# Allegro board AWR1243BOOST-Rev-A.brd (continued)
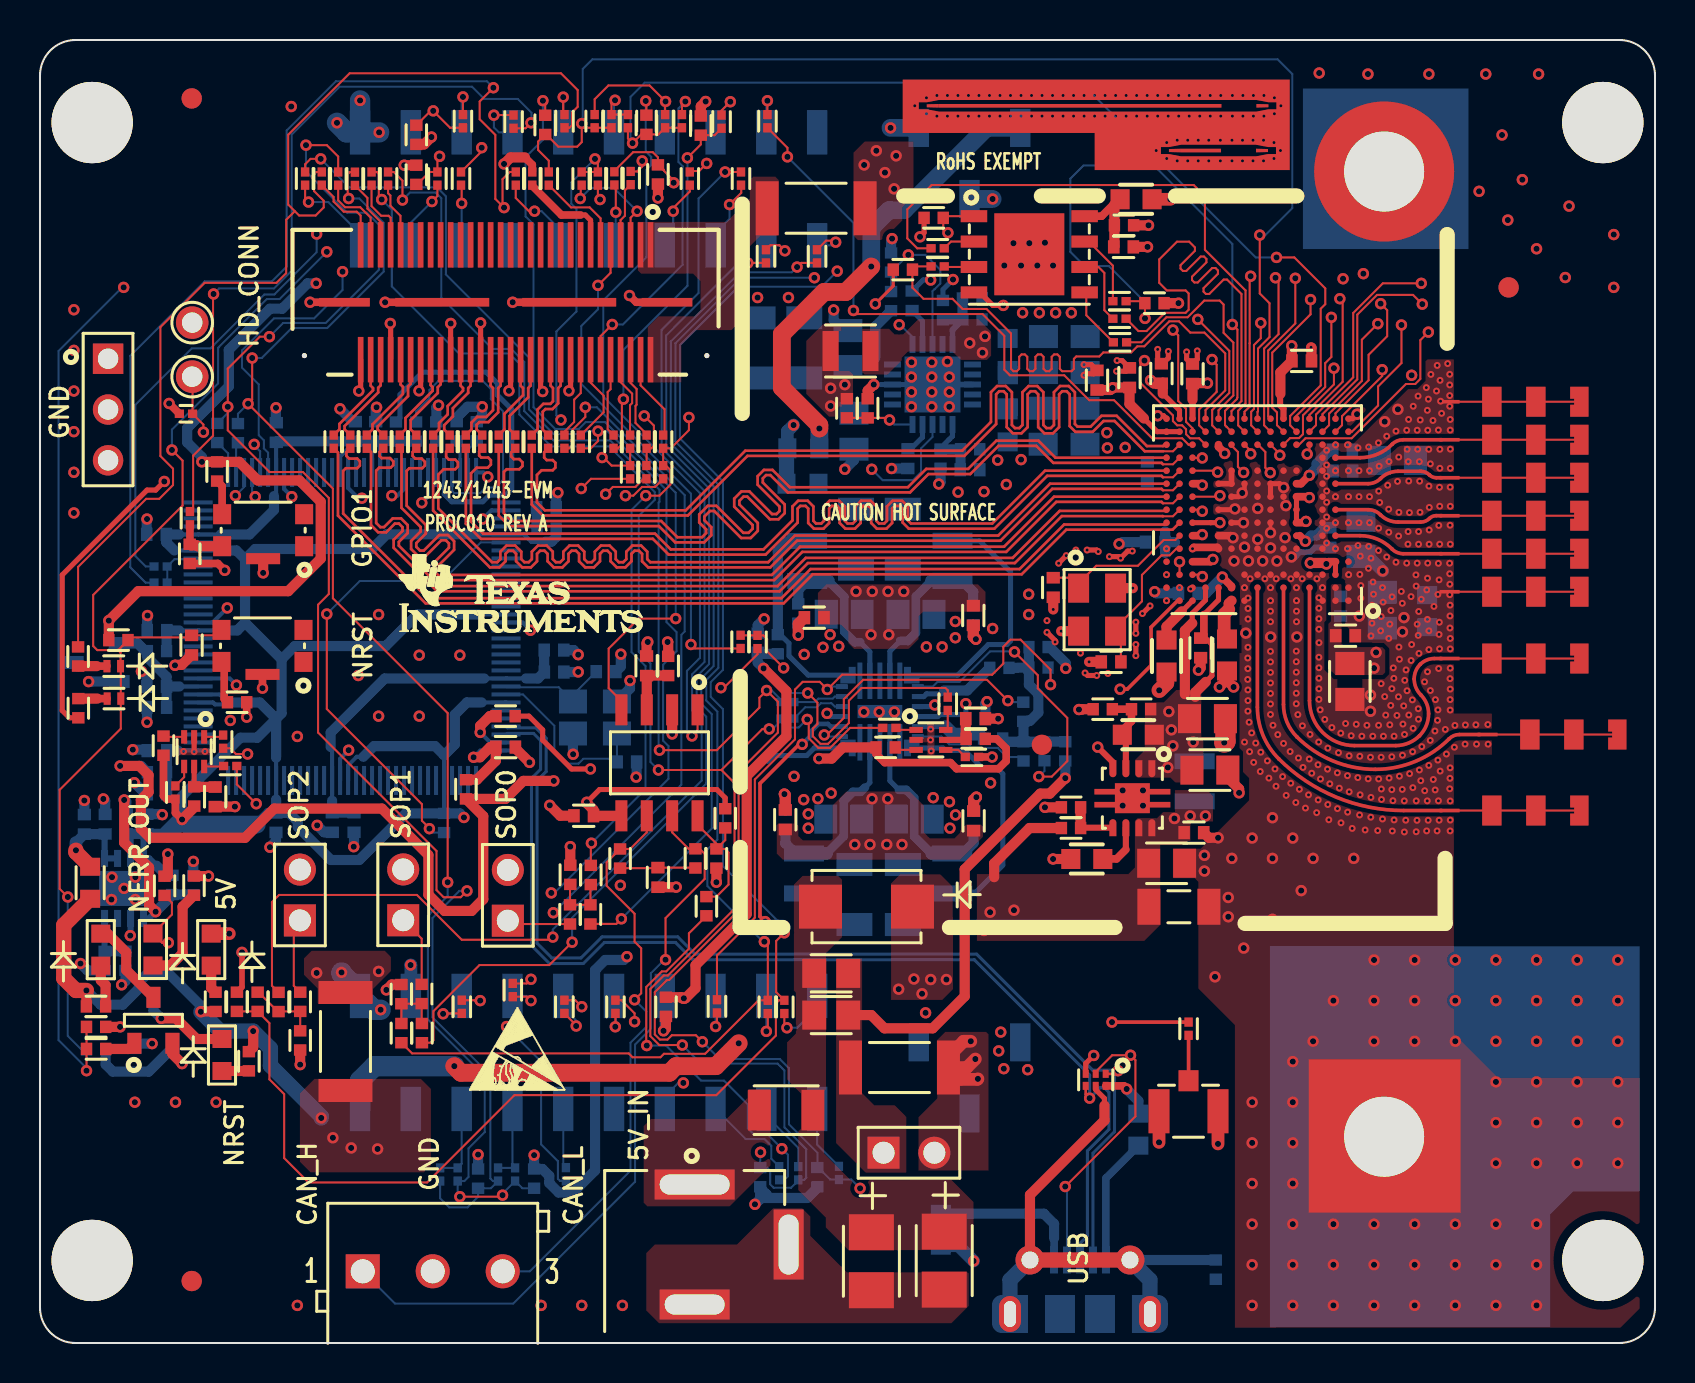
[diagram p0: board, top side]
## Library data of the parts
C1 C13 C14 C33 C36 = CAP_NON_POLARIZED: alternate symbols: (); part number: CAP_NON_POLARIZED_0603-GCM188R71C105KA64,1UF,10%
C2 C21 = CAP_NON_POLARIZED: alternate symbols: (); part number: CAP_NON_POLARIZED_0402-CGA2B3X7R1H104K050BB,0.1UF,10%
C3 C5 C7 C10 C12 C39 C47 C48 C51 C53 C56 C57 C68 = CAP_NON_POLARIZED: alternate symbols: (); part number: CAP_NON_POLARIZED_0402-GCM155R71C224KE02,0.22UF,10%
C4 C6 C11 = CAP_NON_POLARIZED: alternate symbols: (); part number: CAP_NON_POLARIZED_0402-GCM155R71C104KA55,0.1UF,10%
C8 = CAP_NON_POLARIZED: alternate symbols: (); part number: CAP_NON_POLARIZED_0201-C0603X7S1A104K030BC,0.1UF,10%
C9 C15 C24 = CAP_NON_POLARIZED: alternate symbols: (); part number: CAP_NON_POLARIZED_0402-GJM1555C1H4R7BB01,4.7PF,+/-0.1PF
C16 C20 C42 C43 C49 C64 C67 C71 C75 C76 C79 C84 C85 = CAP_NON_POLARIZED: alternate symbols: (); part number: CAP_NON_POLARIZED_0402-C0402C104K8RAC,0.1UF,10%
C17 C19 C23 C32 C34 C35 C37 C38 C40 C45 C52 C58-C60 C65 C72 C73 C83 = CAP_NON_POLARIZED: alternate symbols: (CAP_GC_21); part number: CAP_NON_POLARIZED_0805-GCM21BR71A106KE22,10UF,10%
C18 C22 = CAP_NON_POLARIZED: alternate symbols: (); part number: CAP_NON_POLARIZED_0603-GCM188R71C474KA55,0.47UF,10%
C25 C30 C31 = CAP_NON_POLARIZED: alternate symbols: (); part number: CAP_NON_POLARIZED_1206-CGA5L1X7R0J226M160AC,22UF,20%
C26 C27 = CAP_POLARIZED: alternate symbols: (); part number: CAP_POLARIZED_3528-21-T491B476K010AT,47UF,10%
C28 C29 C44 C46 = CAP_NON_POLARIZED: alternate symbols: (); part number: CAP_NON_POLARIZED_0402-CGA2B3X8R1H103K050BB,0.01UF,10%
C41 C61 C62 = CAP_NON_POLARIZED: alternate symbols: (); part number: CAP_NON_POLARIZED_0402-C1005X7S0J105M050BC,1UF,20%
C50 = CAP_NON_POLARIZED: alternate symbols: (); part number: CAP_NON_POLARIZED_0402-C1005X7R1E103K,10NF,10%
C54 C55 C81 C82 = CAP_NON_POLARIZED: alternate symbols: (CAP_GC_31); part number: CAP_NON_POLARIZED_1206-GCM31CR71A226KE02,22UF,10%
C63 C70 = CAP_NON_POLARIZED: alternate symbols: (); part number: CAP_NON_POLARIZED_0402-GRM1555C1H8R0DA01,8PF,+/-0.5PF
C66 C69 = CAP_NON_POLARIZED: alternate symbols: (); part number: CAP_NON_POLARIZED_0402-C0402C103K4RAC,0.01UF,10%
C74 C77 C80 = CAP_NON_POLARIZED: alternate symbols: (); part number: CAP_NON_POLARIZED_0402-C1005X7S1A225K050BC,2.2UF,10%
C78 = CAP_NON_POLARIZED: alternate symbols: (); part number: CAP_NON_POLARIZED_0402-04025A150FAT2A,15PF,1%
C86-C89 = CAP_NON_POLARIZED: alternate symbols: (); part number: CAP_NON_POLARIZED_0402-CGA2B2NP01H391J050BA,390PF,5%
D1 D2 = DIODE_SCHOTTKY: alternate symbols: (); part number: DIODE_SCHOTTKY_2-PIN-SMS3923-040LF
D3 = DIODE_ZENER: alternate symbols: (); part number: DIODE_ZENER_DO-214AA-P6SMB6.8AT3G
DS1 DS2 = LEDS: alternate symbols: (); part number: LEDS_0603-TLMS1000
DS3 DS4 = LEDS: alternate symbols: (); part number: LEDS_0603-TLMY1000
F1 = FUSE: alternate symbols: (); part number: FUSE_1206-0440005.
FB1 FB2 = FERRITE_BEAD: alternate symbols: (); part number: FERRITE_BEAD_0805-BLM21PG300SH1,30 OHM,0%
J1 = QSH_030_01_X_D: alternate symbols: (); part number: QSH_030_01_X_D_CONN-60P-FULL-QSH-030-01-L-D-A
J2 = 128_0711_201: alternate symbols: (); part number: 128_0711_201_SMA-3P-128-0711-201
J3 = OSTTE030161: alternate symbols: (); part number: OSTTE030161_CONN-3P-OSTTE030161
J4 J7 = SSM_103_XX_SV: alternate symbols: (); part number: SSM_103_XX_SV_CONN-3P-SSM-103-S-SV
J5 J6 = SSM_110_XX_DV: alternate symbols: (); part number: SSM_110_XX_DV_CONN-20P-SSM-110-S-DV
J8 = 105017_0001: alternate symbols: (); part number: 105017_0001_CONN-5P-105017-0001
L1-L6 = INDUCTOR: alternate symbols: (); part number: INDUCTOR_1008-DFE252012P-R47M,0.47UH,20%
P1 = 22_28_4033: alternate symbols: (); part number: 22_28_4033_HDR-3P-22-28-4033
P2-P5 = 2211S_02G: alternate symbols: (); part number: 2211S_02G_HDR-2P-2211S-02G
P6 = PJ_002AH: alternate symbols: (); part number: PJ_002AH_POWER_JACK-PJ-002AH
Q1 Q2 = BSS123: alternate symbols: (); part number: BSS123_SOT-23-3-BSS123
R1-R10 R17-R33 R35 R36 R48-R67 R69-R72 R75 R76 R94 R102 R104-R106 R108 R109 R111 R135 R136 R144 R146 R162-R169 R180-R182 R185 R186 R188 = RESISTOR: alternate symbols: (); part number: RESISTOR_0201-CRCW02010000Z0ED,0,JUMPER
R11 R12 R37 R78 R97 R107 R119 R120 R128 R129 R141 R152 R159 R177 R183 R187 = RESISTOR: alternate symbols: (); part number: RESISTOR_0402-ERJ-2GE0R00,0,JUMPER
R13 R15 R16 R41 R43 R46 R47 R73 R74 R81 R83 R84 R86 R89 R91 R98 R113 R145 R148 R155 R170 R171 R178 R179 R184 = RESISTOR: alternate symbols: (); part number: RESISTOR_0402-CRCW040210K0FK,10K,1%
R14 R110 R138 R158 R172 R173 = RESISTOR: alternate symbols: (); part number: RESISTOR_0402-CRCW0402100KFK,100K,1%
R34 R115 R118 = RESISTOR: alternate symbols: (); part number: RESISTOR_2010-CRCW20100000Z0,0.00,1%
R38 = RESISTOR: alternate symbols: (); part number: RESISTOR_0402-CRCW040247K5FK,47.5K,1%
R39 R40 R42 R44 R45 = RESISTOR: alternate symbols: (); part number: RESISTOR_0201-CRCW020133R2FN,33.2,1%
R68 R77 R79 R80 R154 = RESISTOR: alternate symbols: (); part number: RESISTOR_0402-ERJ-2GEJ101,100,5%
R82 = RESISTOR: alternate symbols: (); part number: RESISTOR_0402-CRCW040212K7FK,12.7K,1%
R85 R87 = RESISTOR: alternate symbols: (); part number: RESISTOR_0402-CRCW040261R9FK,61.9,1%
R88 R96 R114 = RESISTOR: alternate symbols: (); part number: RESISTOR_0402-CRCW040282K5FK,82.5K,1%
R90 = RESISTOR: alternate symbols: (); part number: RESISTOR_0402-ERJ-2GEJ361,360,5%
R92 R95 R99 = RESISTOR: alternate symbols: (); part number: RESISTOR_0402-CRCW04027K87FK,7.87K,1%
R93 R101 R112 = RESISTOR: alternate symbols: (); part number: RESISTOR_0402-CRCW0402750RFK,750,1%
R100 R103 R116 R117 R160 = RESISTOR: alternate symbols: (); part number: RESISTOR_0402-ERJ-2GEJ511,510,5%
R121 R132 = RESISTOR: alternate symbols: (); part number: RESISTOR_0402-CRCW04022K80FK,2.8K,1%
R122 R131 R139 = RESISTOR: alternate symbols: (); part number: RESISTOR_0402-CRCW04021K96FK,1.96K,1%
R123 R124 R126 R127 R140 = RESISTOR: alternate symbols: (); part number: RESISTOR_0402-CRCW04021K00FK,1K,1%
R125 = RESISTOR: alternate symbols: (); part number: RESISTOR_0402-CRCW04024K87FK,4.87K,1%
R130 R133 R137 R161 R175 R176 R189 = RESISTOR: alternate symbols: (); part number: RESISTOR_0603-MCT06030Z0000ZP500,0,JUMPER
R134 = RESISTOR: alternate symbols: (); part number: RESISTOR_0402-CRCW040249R9FK,49.9,1%
R142 R150 = RESISTOR: alternate symbols: (); part number: RESISTOR_0402-ERJ-2RKF4991X,4.99K,1%
R143 R147 = RESISTOR: alternate symbols: (); part number: RESISTOR_0402-CRCW04024K99FK,4.99K,1%
R149 = RESISTOR: alternate symbols: (); part number: RESISTOR_0402-ERJ-2GEJ102,1K,5%
R151 R153 = RESISTOR: alternate symbols: (); part number: RESISTOR_0402-CRCW0402330KFK,330K,1%
R156 = RESISTOR: alternate symbols: (); part number: RESISTOR_0402-CRCW040249K9FK,49.9K,1%
R157 R174 = RESISTOR: alternate symbols: (); part number: RESISTOR_0402-CRCW040230K0FK,30K,1%
R190-R193 = RESISTOR: alternate symbols: (); part number: RESISTOR_0402-CRCW04023R83FK,3.83,1%
SW1 SW2 = KMR2XXG: alternate symbols: (); part number: KMR2XXG_SW-4P-KMR243GLFG
TP1 TP2 = TP: alternate symbols: (); part number: TP_TP-040PTH
U1 = S25FL116K0XNFV010: alternate symbols: (); part number: S25FL116K0XNFV010_SON-8-S25FL116K0XNFV010
U2 = AR1243_PRELIMINARY: alternate symbols: (); part number: AR1243_PRELIMINARY_BGA-161-FULL-AR1243_PRELIMINARY
U3 = SN65HVDA540QD: alternate symbols: (); part number: SN65HVDA540QD_SOIC-8-SN65HVDA540QD
U4 = TPS7A8101: alternate symbols: (); part number: TPS7A8101_SON-8-TPS7A8101QDRBRQ1
U5 = TPS7A8801: alternate symbols: (); part number: TPS7A8801_QFN-20-TPS7A8801RTJ
U6 = TM4C1294NCPDTT3: alternate symbols: (); part number: TM4C1294NCPDTT3_QFP-128-QUAD-TM4C1294NCPDTT3
U7 = LM4040C25Q: alternate symbols: (); part number: LM4040C25Q_SOT-23-3-LM4040C25QDBZ
U8 = P87524BRNFRQ1_ES2_2_PRELIMINARY: alternate symbols: (); part number: P87524BRNFRQ1_ES2_2_PRELIMINARY_VQFN-26-P87524BRNFRQ1_ES2.2_PRELIMINARY
U9 = TPS79601DRB: alternate symbols: (); part number: TPS79601DRB_SON-8-TPS79601DRB
U10 = TPD4E004DRY: alternate symbols: (); part number: TPD4E004DRY_SON-6P-TPD4E004DRY
U11 U12 = TMP112AIDRL: alternate symbols: (); part number: TMP112AIDRL_SOTFL-6-TMP112AIDRL
Y1 = CX3225SA: alternate symbols: (); part number: CX3225SA_XTAL-4P-CX3225SA40000D0PTWCC,40MHZ
Y2 = NX3225SA: alternate symbols: (); part number: NX3225SA_XTAL-4P-NX3225SA-16.000M-STD-CRS-2,16MHZ

## Footprints (pads in the part's own frame, mm; a bottom-side part is the same pattern mirrored in y, then rotated)
BGA161C65P15X15_1040X1040X120
  round 0.33 smd: A1(-4.55,4.55) A2(-3.9,4.55) A3(-3.25,4.55) A5(-1.95,4.55) A7(-0.65,4.55) A9(0.65,4.55) A10(1.3,4.55) A13(3.25,4.55) A14(3.9,4.55) A15(4.55,4.55) B1(-4.55,3.9) B2(-3.9,3.9) B3(-3.25,3.9) B4(-2.6,3.9) B5(-1.95,3.9) B6(-1.3,3.9) B7(-0.65,3.9) B8(0,3.9) B9(0.65,3.9) B10(1.3,3.9) B11(1.95,3.9) B12(2.6,3.9) B13(3.25,3.9) B14(3.9,3.9) B15(4.55,3.9) C1(-4.55,3.25) C2(-3.9,3.25) C3(-3.25,3.25) C4(-2.6,3.25) C5(-1.95,3.25) C6(-1.3,3.25) C7(-0.65,3.25) C8(0,3.25) C9(0.65,3.25) C13(3.25,3.25) C14(3.9,3.25) C15(4.55,3.25) D1(-4.55,2.6) D2(-3.9,2.6) D13(3.25,2.6) D15(4.55,2.6) E1(-4.55,1.95) E2(-3.9,1.95) E3(-3.25,1.95) E5(-1.95,1.95) E6(-1.3,1.95) E8(0,1.95) E10(1.3,1.95) E11(1.95,1.95) E13(3.25,1.95) E14(3.9,1.95) E15(4.55,1.95) F2(-3.9,1.3) F3(-3.25,1.3) F5(-1.95,1.3) F9(0.65,1.3) F11(1.95,1.3) F13(3.25,1.3) F14(3.9,1.3) G1(-4.55,0.65) G2(-3.9,0.65) G3(-3.25,0.65) G5(-1.95,0.65) G6(-1.3,0.65) G7(-0.65,0.65) G8(0,0.65) G10(1.3,0.65) G13(3.25,0.65) G14(3.9,0.65) G15(4.55,0.65) H2(-3.9,0) H3(-3.25,0) H5(-1.95,0) H7(-0.65,0) H9(0.65,0) H11(1.95,0) H13(3.25,0) H14(3.9,0) H15(4.55,0) J1(-4.55,-0.65) J2(-3.9,-0.65) J3(-3.25,-0.65) J5(-1.95,-0.65) J6(-1.3,-0.65) J7(-0.65,-0.65) J8(0,-0.65) J10(1.3,-0.65) J13(3.25,-0.65) J14(3.9,-0.65) J15(4.55,-0.65) K2(-3.9,-1.3) K3(-3.25,-1.3) K5(-1.95,-1.3) K7(-0.65,-1.3) K8(0,-1.3) K9(0.65,-1.3) K10(1.3,-1.3) K11(1.95,-1.3) K13(3.25,-1.3) K14(3.9,-1.3) K15(4.55,-1.3) L1(-4.55,-1.95) L2(-3.9,-1.95) L3(-3.25,-1.95) L5(-1.95,-1.95) L6(-1.3,-1.95) L8(0,-1.95) L10(1.3,-1.95) L13(3.25,-1.95) L14(3.9,-1.95) L15(4.55,-1.95) M2(-3.9,-2.6) M3(-3.25,-2.6) M13(3.25,-2.6) M14(3.9,-2.6) M15(4.55,-2.6) N1(-4.55,-3.25) N2(-3.9,-3.25) N3(-3.25,-3.25) N4(-2.6,-3.25) N5(-1.95,-3.25) N6(-1.3,-3.25) N7(-0.65,-3.25) N8(0,-3.25) N9(0.65,-3.25) N10(1.3,-3.25) N11(1.95,-3.25) N12(2.6,-3.25) N13(3.25,-3.25) N14(3.9,-3.25) N15(4.55,-3.25) P1(-4.55,-3.9) P2(-3.9,-3.9) P3(-3.25,-3.9) P4(-2.6,-3.9) P5(-1.95,-3.9) P6(-1.3,-3.9) P7(-0.65,-3.9) P8(0,-3.9) P9(0.65,-3.9) P10(1.3,-3.9) P11(1.95,-3.9) P12(2.6,-3.9) P13(3.25,-3.9) P14(3.9,-3.9) P15(4.55,-3.9) R1(-4.55,-4.55) R2(-3.9,-4.55) R3(-3.25,-4.55) R4(-2.6,-4.55) R5(-1.95,-4.55) R6(-1.3,-4.55) R7(-0.65,-4.55) R8(0,-4.55) R9(0.65,-4.55) R10(1.3,-4.55) R11(1.95,-4.55) R12(2.6,-4.55) R13(3.25,-4.55) R14(3.9,-4.55) R15(4.55,-4.55)
CAPMP3528X210N
  rect 1.8x2.25 smd: 1(-1.45,0) 2(1.45,0)
CC0201
  rect 0.46x0.419 smd: 1(-0.33,0) 2(0.33,0)
CC0402
  rect 0.579x0.66 smd: 1(-0.49,0) 2(0.49,0)
CC0603
  rect 0.95x1.001 smd: 1(-0.8,0) 2(0.8,0)
CC0805
  rect 1.151x1.45 smd: 1(-0.899,0) 2(0.899,0)
CC1206
  rect 1.151x1.801 smd: 1(-1.501,0) 2(1.501,0)
CINCH_128-0711-201
  rect 2.2x1.05 smd: G1(0,1.475) G2(0,-1.475)
  rect 1.05x1 smd: S(1.525,0)
CUI_PJ-002AH
  rect 4x1.5 hole 3.5x1: 1(0,0)
  rect 3.5x1.5 hole 3x1: 2(0,-6)
  rect 1.5x3.5 hole 1x3: 3(4.7,-3)
DFN100X60X50-2N
  rect 0.35x0.62 smd: A(0.34,0) C(-0.34,0)
DIOM5436X295N
  rect 2.15x2.2 smd: A(2.3,0) C(-2.3,0)
FB0805
  rect 1.199x1.45 smd: 1(-0.85,0) 2(0.85,0)
FUSE1206
  rect 1.14x2.029 smd: 1(-1.335,0) 2(1.335,0)
INDC2520X120N
  rect 0.8x2 smd: 1(-1,0) 2(1,0)
LED0603
  rect 0.899x0.95 smd: A(0.8,0) C(-0.8,0)
MOLEX_22-28-4033
  rect 1.519x1.519 hole 1.021: 1(0,0)
  round 1.519 hole 1.021: 2(0,-2.54) 3(0,-5.08)
MOLEX_105017-0001
  rect 1.5x1.9 smd: (-1,-0.15) (1,-0.15)
  rect 0.4x1.35 smd: 1(-1.3,2.55) 2(-0.65,2.55) 3(0,2.55) 4(0.65,2.55) 5(1.3,2.55)
  round 1.45 hole 0.85: G1(-2.5,2.55) G2(2.5,2.55)
  oval 1.1x1.8 hole 0.6x1.3: G3(-3.5,-0.15) G4(3.5,-0.15)
MULTICOMP_2211S-02G
  rect 1.6x1.6 hole 1.1: 1(0,0)
  round 1.6 hole 1.1: 2(2.54,0)
OST_OSTTE030161
  rect 1.702x1.702 hole 1.202: 1(0,0)
  round 1.702 hole 1.202: 2(3.5,0) 3(7,0)
P87524BRNFRQ1_ES2_2_PRELIMINARY
  custom 0.78x0.83 smd: 1(-1.595,1.82) 8(-1.595,-1.82) 14(1.595,-1.82) 21(1.595,1.82)
  rect 0.6x0.25 smd: 2(-1.9,1.25) 3(-1.9,0.75) 4(-1.9,0.25) 5(-1.9,-0.25) 6(-1.9,-0.75) 7(-1.9,-1.25) 15(1.9,-1.25) 16(1.9,-0.75) 17(1.9,-0.25) 18(1.9,0.25) 19(1.9,0.75) 20(1.9,1.25)
  rect 0.25x1.82 smd: 9(-1,-1.54) 10(-0.5,-1.54) 11(0,-1.54) 12(0.5,-1.54) 13(1,-1.54) 22(1,1.54) 23(0.5,1.54) 24(0,1.54) 25(-0.5,1.54) 26(-1,1.54)
  rect 2.24x0.66 smd: EP(0,0)
PSON50P100X145X60-6N
  rect 0.399x0.3 smd: 1(-0.3,0.5) 2(-0.3,0) 3(-0.3,-0.5) 4(0.3,-0.5) 5(0.3,0) 6(0.3,0.5)
QFN50P400X400X80_EPE-21N
  rect 0.851x0.3 smd: 1(-2,1) 2(-2,0.5) 3(-2,0) 4(-2,-0.5) 5(-2,-1) 11(2,-1) 12(2,-0.5) 13(2,0) 14(2,0.5) 15(2,1)
  rect 0.3x0.851 smd: 6(-1,-2) 7(-0.5,-2) 8(0,-2) 9(0.5,-2) 10(1,-2) 16(1,2) 17(0.5,2) 18(0,2) 19(-0.5,2) 20(-1,2)
  rect 2.8x2.8 smd: EP(0,0)
QFP40P1600X1600X120-128N
  rect 1.45x0.201 smd: 1(-7.7,6.2) 2(-7.7,5.8) 3(-7.7,5.4) 4(-7.7,5) 5(-7.7,4.6) 6(-7.7,4.2) 7(-7.7,3.8) 8(-7.7,3.4) 9(-7.7,3) 10(-7.7,2.6) 11(-7.7,2.2) 12(-7.7,1.8) 13(-7.7,1.4) 14(-7.7,1) 15(-7.7,0.6) 16(-7.7,0.2) 17(-7.7,-0.2) 18(-7.7,-0.6) 19(-7.7,-1) 20(-7.7,-1.4) 21(-7.7,-1.8) 22(-7.7,-2.2) 23(-7.7,-2.6) 24(-7.7,-3) 25(-7.7,-3.4) 26(-7.7,-3.8) 27(-7.7,-4.2) 28(-7.7,-4.6) 29(-7.7,-5) 30(-7.7,-5.4) 31(-7.7,-5.8) 32(-7.7,-6.2) 65(7.7,-6.2) 66(7.7,-5.8) 67(7.7,-5.4) 68(7.7,-5) 69(7.7,-4.6) 70(7.7,-4.2) 71(7.7,-3.8) 72(7.7,-3.4) 73(7.7,-3) 74(7.7,-2.6) 75(7.7,-2.2) 76(7.7,-1.8) 77(7.7,-1.4) 78(7.7,-1) 79(7.7,-0.6) 80(7.7,-0.2) 81(7.7,0.2) 82(7.7,0.6) 83(7.7,1) 84(7.7,1.4) 85(7.7,1.8) 86(7.7,2.2) 87(7.7,2.6) 88(7.7,3) 89(7.7,3.4) 90(7.7,3.8) 91(7.7,4.2) 92(7.7,4.6) 93(7.7,5) 94(7.7,5.4) 95(7.7,5.8) 96(7.7,6.2)
  rect 0.201x1.45 smd: 33(-6.2,-7.7) 34(-5.8,-7.7) 35(-5.4,-7.7) 36(-5,-7.7) 37(-4.6,-7.7) 38(-4.2,-7.7) 39(-3.8,-7.7) 40(-3.4,-7.7) 41(-3,-7.7) 42(-2.6,-7.7) 43(-2.2,-7.7) 44(-1.8,-7.7) 45(-1.4,-7.7) 46(-1,-7.7) 47(-0.6,-7.7) 48(-0.2,-7.7) 49(0.2,-7.7) 50(0.6,-7.7) 51(1,-7.7) 52(1.4,-7.7) 53(1.8,-7.7) 54(2.2,-7.7) 55(2.6,-7.7) 56(3,-7.7) 57(3.4,-7.7) 58(3.8,-7.7) 59(4.2,-7.7) 60(4.6,-7.7) 61(5,-7.7) 62(5.4,-7.7) 63(5.8,-7.7) 64(6.2,-7.7) 97(6.2,7.7) 98(5.8,7.7) 99(5.4,7.7) 100(5,7.7) 101(4.6,7.7) 102(4.2,7.7) 103(3.8,7.7) 104(3.4,7.7) 105(3,7.7) 106(2.6,7.7) 107(2.2,7.7) 108(1.8,7.7) 109(1.4,7.7) 110(1,7.7) 111(0.6,7.7) 112(0.2,7.7) 113(-0.2,7.7) 114(-0.6,7.7) 115(-1,7.7) 116(-1.4,7.7) 117(-1.8,7.7) 118(-2.2,7.7) 119(-2.6,7.7) 120(-3,7.7) 121(-3.4,7.7) 122(-3.8,7.7) 123(-4.2,7.7) 124(-4.6,7.7) 125(-5,7.7) 126(-5.4,7.7) 127(-5.8,7.7) 128(-6.2,7.7)
RC0201
  rect 0.46x0.419 smd: 1(-0.33,0) 2(0.33,0)
RC0402
  rect 0.569x0.62 smd: 1(-0.48,0) 2(0.48,0)
RC0402_40
  rect 0.569x0.62 smd: 1(-0.48,0) 2(0.48,0)
RC0603
  rect 0.899x1.001 smd: 1(-0.8,0) 2(0.8,0)
RC2010
  rect 1.151x2.7 smd: 1(-2.45,0) 2(2.45,0)
SAMTEC_QSH-030-01-X-D-A
  round 0.249 hole 1.021 unplated: (-10.065,2.67) (10.065,2.67)
  rect 0.28x2.27 smd: 1(-7.25,-2.87) 2(-7.25,2.87) 3(-6.75,-2.87) 4(-6.75,2.87) 5(-6.25,-2.87) 6(-6.25,2.87) 7(-5.75,-2.87) 8(-5.75,2.87) 9(-5.25,-2.87) 10(-5.25,2.87) 11(-4.75,-2.87) 12(-4.75,2.87) 13(-4.25,-2.87) 14(-4.25,2.87) 15(-3.75,-2.87) 16(-3.75,2.87) 17(-3.25,-2.87) 18(-3.25,2.87) 19(-2.75,-2.87) 20(-2.75,2.87) 21(-2.25,-2.87) 22(-2.25,2.87) 23(-1.75,-2.87) 24(-1.75,2.87) 25(-1.25,-2.87) 26(-1.25,2.87) 27(-0.75,-2.87) 28(-0.75,2.87) 29(-0.25,-2.87) 30(-0.25,2.87) 31(0.25,-2.87) 32(0.25,2.87) 33(0.75,-2.87) 34(0.75,2.87) 35(1.25,-2.87) 36(1.25,2.87) 37(1.75,-2.87) 38(1.75,2.87) 39(2.25,-2.87) 40(2.25,2.87) 41(2.75,-2.87) 42(2.75,2.87) 43(3.25,-2.87) 44(3.25,2.87) 45(3.75,-2.87) 46(3.75,2.87) 47(4.25,-2.87) 48(4.25,2.87) 49(4.75,-2.87) 50(4.75,2.87) 51(5.25,-2.87) 52(5.25,2.87) 53(5.75,-2.87) 54(5.75,2.87) 55(6.25,-2.87) 56(6.25,2.87) 57(6.75,-2.87) 58(6.75,2.87) 59(7.25,-2.87) 60(7.25,2.87)
  rect 2.54x0.43 smd: G1(-8.07,0) G4(8.06,0)
  rect 4.7x0.43 smd: G2(-3.18,0) G3(3.17,0)
SAMTEC_SSM-103-XX-SV
  rect 1.02x1.905 smd: 1(-2.54,-1.777) 2(0,1.777) 3(2.54,-1.777)
SAMTEC_SSM-110-XX-DV
  rect 1.02x2.22 smd: 1(11.43,-2.825) 2(11.43,2.825) 3(8.89,-2.825) 4(8.89,2.825) 5(6.35,-2.825) 6(6.35,2.825) 7(3.81,-2.825) 8(3.81,2.825) 9(1.27,-2.825) 10(1.27,2.825) 11(-1.27,-2.825) 12(-1.27,2.825) 13(-3.81,-2.825) 14(-3.81,2.825) 15(-6.35,-2.825) 16(-6.35,2.825) 17(-8.89,-2.825) 18(-8.89,2.825) 19(-11.43,-2.825) 20(-11.43,2.825)
SOIC127P600X175-8N
  rect 1.549x0.599 smd: 1(-2.65,1.905) 2(-2.65,0.635) 3(-2.65,-0.635) 4(-2.65,-1.905) 5(2.65,-1.905) 6(2.65,-0.635) 7(2.65,0.635) 8(2.65,1.905)
SON65P300X300X100-9
  custom 0.849x0.351 smd: 1(-1.475,0.975) 2(-1.475,0.325) 3(-1.475,-0.325) 4(-1.475,-0.975) 5(1.475,-0.975) 6(1.475,-0.325) 7(1.475,0.325) 8(1.475,0.975)
  custom 1.499x3.8 smd: EP(0,0)
SON65P300X300X100_EPA-9N
  rect 0.851x0.351 smd: 1(-1.5,0.975) 2(-1.5,0.325) 3(-1.5,-0.325) 4(-1.5,-0.975) 5(1.5,-0.975) 6(1.5,-0.325) 7(1.5,0.325) 8(1.5,0.975)
  rect 1.75x2.499 smd: EP(0,0)
SON127P600X500X80_EPA-9N
  rect 1.049x0.45 smd: 1(-2.85,1.905) 2(-2.85,0.635) 3(-2.85,-0.635) 4(-2.85,-1.905) 5(2.85,-1.905) 6(2.85,-0.635) 7(2.85,0.635) 8(2.85,1.905)
  rect 3.5x4.1 smd: EP(0,0)
SOT95P237X112-3N
  rect 1.049x0.65 smd: 1(-1.15,0.95) 2(-1.15,-0.95) 3(1.15,0)
SOT95P240X120-3N
  rect 1.05x0.7 smd: 1(-1.15,0.95) 2(-1.15,-0.95) 3(1.15,0)
SOTFL50P160X60-6N
  rect 0.671x0.3 smd: 1(-0.74,0.5) 2(-0.74,0) 3(-0.74,-0.5) 4(0.74,-0.5) 5(0.74,0) 6(0.74,0.5)
SW_KMR2XXG
  rect 0.899x1.001 smd: 1(-2.05,0.8) 2(2.05,0.8) 3(-2.05,-0.8) 4(2.05,-0.8)
  rect 1.7x0.55 smd: G(0,1.425)
TP_C163H102
  round 1.626 hole 1.02: 1(0,0)
unnamed#2
  round 7 hole 4: 1(0,0)
unnamed#4
  round 1.016 smd: 1(0,0)
unnamed#3
  round 4.064 hole 4.064 unplated: (0,0)
XTAL_CX3225SA
  rect 1.45x1.049 smd: 1(-1.075,-0.925) 2(1.075,-0.925) 3(1.075,0.925) 4(-1.075,0.925)
XTAL_NX3225SA
  rect 1.4x1.199 smd: 1(-1.1,-0.8) 2(1.1,-0.8) 3(1.1,0.8) 4(-1.1,0.8)

## Nets
3V3_BRD: C41.2 C42.2 C43.2 C50.2 C61.2 C76.2 C77.2 C78.2 R124.2 R127.2 R134.2 R140.2 R155.2 R156.2 R179.2 R183.2 R184.2 R187.2 R188.2 U6.7(VDD1) U6.8(VDDA) U6.16(VDD2) U6.26(VDD3) U6.28(VDD4) U6.39(VDD5) U6.47(VDD6) U6.51(VDD7) U6.52(VDD8) U6.69(VDD9) U6.79(VDD10) U6.90(VDD11) U6.101(VDD12) U6.113(VDD13) U6.122(VDD14) U9.3(OUT1) U9.4(OUT2)
3V3_MON_XDS_1: R158.2 R159.2 U9.8(EN)
5V_IN: FB1.2 FB2.2 P5.1 R34.2 R78.2 R100.2 R103.2 R115.2 R117.2 R118.1 R149.2 R176.2
5V_UNREG: C59.2 C60.2 C68.2 C72.2 C73.2 P5.2 R118.2 U8.9(VIN_B0) U8.13(VIN_B1) U8.18(VANA) U8.22(VIN_B3) U8.26(VIN_B2)
+3.3VD: C5.2 C20.2 P2.2 P3.2 P4.2 R14.2 R15.2 R16.2 R37.2 R38.2 R41.2 R43.2 R68.2 R74.2 R90.2 R91.2 R130.2 R133.2 R170.2 R171.2 R172.2 R173.2 R178.1 U2.R13(VIOIN) U3.5(VIO)
GND: C1.1 C2.1 C3.1 C4.1 C5.1 C6.1 C7.1 C8.1 C9.1 C10.1 C11.1 C12.1 C13.1 C14.1 C15.1 C16.1 C17.1 C19.1 C20.1 C21.1 C22.1 C23.1 C24.1 C25.1 C26.2 C27.2 C29.1 C30.1 C31.1 C32.1 C33.1 C34.1 C35.1 C36.1 C37.1 C38.1 C39.1 C40.1 C41.1 C42.1 C43.1 C44.1 C45.1 C47.1 C48.1 C49.1 C50.1 C51.1 C52.1 C53.1 C54.1 C55.1 C56.1 C57.1 C58.1 C59.1 C60.1 C61.1 C62.1 C63.1 C64.1 C65.1 C66.1 C67.1 C68.1 C69.1 C70.1 C71.1 C72.1 C73.1 C74.1 C75.1 C76.1 C77.1 C79.1 C80.1 C81.1 C82.1 C83.1 C84.1 C85.1 C86.1 C87.1 C88.1 C89.1 D3.A DS2.C J1.18 J1.24 J1.30 J1.36 J1.42 J1.48 J1.54 J1.60 J1.G1 J1.G2 J1.G3 J1.G4 J2.G1 J2.G2 J3.2 J4.1 J4.2 J5.2 J6.4 J7.1 J7.2 P1.2 P6.2 P6.3 Q1.2(S) Q2.2(S) R13.1 R47.2 R73.1 R79.1 R81.1 R83.2 R86.2 R88.1 R96.1 R110.1 R114.1 R119.1 R121.1 R123.2 R125.1 R126.2 R132.1 R138.1 R139.1 R153.1 R157.1 R158.1 R174.1 R175.1 R181.1 SW1.G(GND) SW2.G(GND) TP1.1 U1.4(VSS) U1.EP U2.A1(VSSA1) U2.A3(VSSA2) U2.A5(VSSA3) U2.A7(VSSA4) U2.A9(VSSA5) U2.A15(VSSA6) U2.B1(FM_CW_SYNCIN1) U2.B3(VSSA7) U2.B5(VSSA8) U2.B7(VSSA9) U2.B9(VSSA10) U2.B13(VSSA43) U2.B14(VSSA11) U2.C1(VSSA12) U2.C3(VSSA13) U2.C4(VSSA14) U2.C5(VSSA15) U2.C6(VSSA16) U2.C7(VSSA17) U2.C8(VSSA18) U2.C9(VSSA19) U2.C15(VSSA20) U2.E1(VSSA21) U2.E2(VSSA22) U2.E3(VSSA23) U2.E5(VSS19) U2.E6(VSS1) U2.E8(VSS2) U2.E10(VSS3) U2.E11(VSS4) U2.E13(VSSA24) U2.E15(VSSA25) U2.F3(VSSA26) U2.F9(VSS6) U2.F11(VSS7) U2.G1(VSSA27) U2.G2(VSSA28) U2.G3(VSSA29) U2.G6(VSS8) U2.G7(VSS5) U2.G8(VSS9) U2.G10(VSS10) U2.H3(VSSA30) U2.H7(VSS11) U2.H9(VSS12) U2.H11(VSS14) U2.J1(VSSA31) U2.J2(VSSA32) U2.J3(VSSA33) U2.J6(VSS16) U2.J7(VSS13) U2.J8(VSS17) U2.J10(VSS18) U2.K3(VSSA34) U2.K7(VSS20) U2.K8(VSS21) U2.K9(VSS22) U2.K10(VSS23) U2.K11(VSS24) U2.L1(VSSA35) U2.L2(VSSA36) U2.L3(VSSA37) U2.L5(VSS25) U2.L6(VSS26) U2.L8(VSS27) U2.L10(VSS28) U2.M3(VSSA38) U2.N1(VSSA39) U2.N2(VSSA40) U2.N3(VSSA41) U2.R1(VSSA42) U2.R15(VSS29) U3.2(GND) U4.4(GND) U4.EP(EPAD) U5.3(GND1) U5.13(GND2) U5.EP(GND3) U6.10(GNDA) U6.17(GND1) U6.48(GND2) U6.55(GND3) U6.58(GND4) U6.64(WAKE*) U6.66(XOSC0) U6.80(GND5) U6.114(GND6) U7.2(A) U8.4(AGND1) U8.11(PGND_B01) U8.17(AGND2) U8.24(PGND_B23) U8.EP(AGND3) U9.6(GND) U9.EP(EPAD) U10.3(GND) U11.2(GND) U12.2(GND) Y1.2(THDCON<0>) Y1.4(THDCON<0>) Y2.2(THDCON<0>) Y2.4(THDCON<0>)
VBUS_1_DETECT: C69.2 R151.2 R153.2 U6.1(PD0)
VDDC_1: C62.2 C64.2 C74.2 C75.2 U6.87(VDDC1) U6.115(VDDC2)
AR_1P3_RF1: C36.2 C37.2 C38.2 C45.2 C46.2 C47.2 R131.2 R189.2 U2.G5(VIN_13RF1_1) U2.H5(VIN_13RF1_2) U2.J5(VIN_13RF1_3) U5.14(OUT1_1) U5.15(OUT1_2)
AR_1P3_RF2: C28.2 C33.2 C34.2 C35.2 C57.2 C58.2 L5.2 R122.2 R137.1 R189.1 U2.C2(VIN_13RF2_1) U2.D2(VIN_13RF2_2) U5.11(OUT2_1) U5.12(OUT2_2)
AR_1V4_APLL: C13.2 U2.A10(VOUT_14APLL)
AR_1V4_SYNTH: C14.2 U2.A13(VOUT_14SYNTH)
AR_1V8: C12.2 C17.2 C18.2 C19.2 C39.2 C48.2 C51.2 C52.2 C53.2 L6.2 R82.2 U2.B11(VIN_18CLK) U2.B12(VIN_18VCO) U2.D13(VIOIN_18DIFF) U2.F5(VIN_18BB_2) U2.K5(VIN_18BB_1) U2.K13(VIOIN_18) U4.1(OUT1) U4.2(OUT2)
AR_ANAMUX: P1.3 U2.C13(ANAMUX)
AR_ANATEST1: R104.2 U2.P1(ANALOGTEST1)
AR_ANATEST2: R94.2 U2.P2(ANALOGTEST2)
AR_ANATEST3: R105.2 U2.P3(ANALOGTEST3)
AR_ANATEST4: R106.2 U2.R2(ANALOGTEST4)
AR_BSS_LOGGER: R31.1 R135.1 U2.R4(RES3)
AR_CS1: R1.2 R14.1 R17.1 U2.R7(SPI_CS_1)
AR_GPIO_0: R164.1 R177.2 U2.N4(GPIO_0)
AR_GPIO_1: R9.2 R72.2 U2.N7(GPIO_1)
AR_GPIO_2: R8.2 R110.2 R116.1 U2.N13(GPIO_2)
AR_HOSTINTR1: R10.2 R13.2 R64.2 U2.P6(SPI_HOST_INTR_1)
AR_LVDS_VALIDM: R60.2 U2.N14(HS_DEBUG2_M)
AR_LVDS_VALIDP: R61.2 U2.N15(HS_DEBUG2_P)
AR_LVDSCSI_0M: R48.2 U2.G14(CSI2_TXM_0)
AR_LVDSCSI_0P: R49.2 U2.G15(CSI2_TXP_0)
AR_LVDSCSI_1M: R50.2 U2.H14(CSI2_TXM_1)
AR_LVDSCSI_1P: R51.2 U2.H15(CSI2_TXP_1)
AR_LVDSCSI_2M: R54.2 U2.K14(CSI2_TXM_2)
AR_LVDSCSI_2P: R55.2 U2.K15(CSI2_TXP_2)
AR_LVDSCSI_3M: R56.2 U2.L14(CSI2_TXM_3)
AR_LVDSCSI_3P: R57.2 U2.L15(CSI2_TXP_3)
AR_LVDSCSI_CLKM: R52.2 U2.J14(CSI2_CLKM)
AR_LVDSCSI_CLKP: R53.2 U2.J15(CSI2_CLKP)
AR_LVDSCSI_FRCLKM: R58.2 U2.M14(HS_DEBUG1_M)
AR_LVDSCSI_FRCLKP: R59.2 U2.M15(HS_DEBUG1_P)
AR_MCUCLKOUT: R25.1 U2.N9(MCU_CLKOUT)
AR_MISO1: R5.2 R6.2 R7.2 R11.1 U2.P5(MISO_1)
AR_MOSI1: R3.2 R4.2 R12.1 R28.1 U2.R8(MOSI_1)
AR_MSS_LOGGER: R26.1 R136.1 U2.R5(RES4)
AR_NERR_OUT: DS1.C R19.1 R63.2 R91.1 U2.N8(NERROR_OUT)
AR_NERRIN: R16.1 R24.1 U2.P7(NERROR_IN)
AR_NRST: C11.2 D1.A D2.A R74.1 R160.1 SW2.4 U2.P12(NRESET)
AR_NRST_MCU: R2.2 R20.1 R77.1
AR_NRST_XDS: R80.1 U6.40(PA6)
AR_OSC_CLKOUT: R111.1 U2.A14(OSC_CLKOUT)
AR_PMIC_CLKOUT_SOP2: R97.1 R98.1 R109.2 U2.P13(PMIC_CLKOUT)
AR_QSPI_CS: R38.1 U1.1(CS*) U2.P8(QSPI_CS)
AR_QSPI_D0: R45.2 U2.R11(QSPI_0)
AR_QSPI_D1: R39.1 U2.P9(QSPI_1)
AR_QSPI_D2: R42.1 R43.1 U2.R12(QSPI_2)
AR_QSPI_D3: R40.2 R41.1 U2.P10(QSPI_3)
AR_QSPI_SCLK: R44.2 U2.R10(QSPI_CLK)
AR_RS232RX: R33.1 R129.1 R166.1 R168.1 R172.1 U2.N5(RS232_RX)
AR_RS232TX: R21.1 R128.1 R167.1 R169.1 R173.1 U2.N6(RS232_TX)
AR_SCL: R22.1 R146.1 R163.1 R171.1 R180.1 R185.1 U2.P4(RES1)
AR_SDA: R23.1 R144.1 R162.1 R170.1 R182.2 R186.2 U2.R3(RES2)
AR_SPICLK1: R75.1 R76.1 U2.R9(SPI_CLK_1)
AR_SYNC_IN: R62.2 R165.1 U2.N10(SYNC_IN)
AR_SYNC_OUT_SOP1: R108.2 R113.1 U2.P11(SYNC_OUT)
AR_TCK: R66.2 R70.1 U2.M13(TCK)
AR_TDI: R29.1 R30.1 U2.H13(TDI)
AR_TDO_SOP0: R67.2 R71.1 R89.1 U2.J13(TDO)
AR_TMS: R65.2 R69.1 U2.L13(TMS)
AR_VBGAP: C56.2 U2.B10(VBGAP)
AR_VOUT_PA: C10.2 C65.2 C83.2 R137.2 U2.A2(VOUT_PA1) U2.B2(VOUT_PA2)
AR_VSENSE: P1.1 U2.C14(VSENSE)
AR_WARMRST: R15.1 R18.1 U2.N12(WARM_RESET)
AR_XTALM: C9.2 U2.F14(CLKM) Y1.1
AR_XTALP: C15.2 U2.E14(CLKP) Y1.3
CAN1_RX: R12.2 U3.4(RXD)
CAN1_TX: R11.2 U3.1(TXD)
LDO_01_EN: R83.1 R84.2 U4.5(EN)
LDO_02_EN: R46.2 R47.1 U5.6(EN2) U5.20(EN1)
MCU_3V3: J4.3 J6.1 R130.1
MCU_5V: J6.2 J7.3 R115.1
MCU_SOP0: R36.1 R93.2
MCU_SOP1: R35.1 R112.2
MCU_SOP2: R32.1 R101.2
PGOOD: R27.1 R107.2 R138.2 R141.2 R159.1
PMIC_1V2: C3.2 C4.2 C6.2 C7.2 C54.2 L1.2 U2.F13(VDDIN1) U2.N11(VDDIN2) U2.P14(VNWA) U2.P15(VDDIN3) U2.R6(VDDIN4) U2.R14(VIN_SRAM) U8.14(FB_B1)
PMIC_1V8: C30.2 C31.2 C32.2 C40.2 C81.2 L4.1 L5.1 R46.1 R120.2 U5.1(IN1_1) U5.2(IN1_2) U5.4(IN2_1) U5.5(IN2_2) U8.1(FB_B2)
PMIC_2V3: C21.2 C23.2 C25.2 C82.2 L3.2 L6.1 R84.1 U4.7(IN1) U4.8(IN2) U8.21(FB_B3)
PMIC_CLK: R97.2 U8.3(CLKIN)
PMIC_EN: R102.2 R142.1 U8.7(EN1)
PMIC_NRST: R150.2 U8.20(NRST)
PMICOUT_3V3: C55.2 L2.1 R133.1 R141.1 U8.8(FB_B0)
PMICVIO_3V3: R139.2 R142.2 R143.2 R145.2 R147.2 R148.2 R149.1 R150.1
RX1: U2.M2(RX1)
RX2: U2.K2(RX2)
RX3: U2.H2(RX3)
RX4: U2.F2(RX4)
SS_CTRL: R119.2 R120.1 U5.8(SS_CTRL2) U5.18(SS_CTRL1)
SW0: L2.2 R190.2 U8.10(SW_B0)
SW1: L1.1 R191.2 U8.12(SW_B1)
SW2: L4.2 R192.2 U8.25(SW_B2)
SW3: L3.1 R193.2 U8.23(SW_B3)
TX1: U2.B4(TX1)
TX2: U2.B6(TX2)
TX3: U2.B8(TX3)
UNNAMED_2_AR1243PRELIMINARY_I28: C8.2 TP2.1 U2.G13(RES5)
UNNAMED_4_CAPNONPOLARIZED_I52_2: C22.2 U4.6(NR)
UNNAMED_4_CAPNONPOLARIZED_I53_1: C18.1 R81.2 R82.1 U4.3(FB/SNS)
UNNAMED_6_1280711201_I42_S: J2.S R111.2
UNNAMED_6_QSH03001XD_I1_1: J1.1 J1.2 J1.3 R34.1
UNNAMED_6_QSH03001XD_I1_4: J1.4 R67.1
UNNAMED_6_QSH03001XD_I1_5: J1.5 R29.2
UNNAMED_6_QSH03001XD_I1_6: J1.6 R66.1
UNNAMED_6_QSH03001XD_I1_7: J1.7 R17.2
UNNAMED_6_QSH03001XD_I1_8: J1.8 R65.1
UNNAMED_6_QSH03001XD_I1_9: J1.9 R75.2
UNNAMED_6_QSH03001XD_I1_10: J1.10 R64.1
UNNAMED_6_QSH03001XD_I1_11: J1.11 R28.2
UNNAMED_6_QSH03001XD_I1_12: J1.12 R7.1
UNNAMED_6_QSH03001XD_I1_13: J1.13 R27.2
UNNAMED_6_QSH03001XD_I1_14: J1.14 R63.1
UNNAMED_6_QSH03001XD_I1_16: J1.16 R62.1
UNNAMED_6_QSH03001XD_I1_20: J1.20 R61.1
UNNAMED_6_QSH03001XD_I1_22: J1.22 R60.1
UNNAMED_6_QSH03001XD_I1_26: J1.26 R59.1
UNNAMED_6_QSH03001XD_I1_28: J1.28 R58.1
UNNAMED_6_QSH03001XD_I1_32: J1.32 R57.1
UNNAMED_6_QSH03001XD_I1_34: J1.34 R56.1
UNNAMED_6_QSH03001XD_I1_38: J1.38 R55.1
UNNAMED_6_QSH03001XD_I1_40: J1.40 R54.1
UNNAMED_6_QSH03001XD_I1_44: J1.44 R53.1
UNNAMED_6_QSH03001XD_I1_46: J1.46 R52.1
UNNAMED_6_QSH03001XD_I1_50: J1.50 R51.1
UNNAMED_6_QSH03001XD_I1_51: J1.51 R23.2
UNNAMED_6_QSH03001XD_I1_52: J1.52 R50.1
UNNAMED_6_QSH03001XD_I1_53: J1.53 R22.2
UNNAMED_6_QSH03001XD_I1_55: J1.55 R33.2
UNNAMED_6_QSH03001XD_I1_56: J1.56 R49.1
UNNAMED_6_QSH03001XD_I1_57: J1.57 R21.2
UNNAMED_6_QSH03001XD_I1_58: J1.58 R48.1
UNNAMED_6_QSH03001XD_I1_59: J1.59 R20.2
UNNAMED_9_BSS123_I134_D: DS3.C Q1.3(D)
UNNAMED_9_BSS123_I134_G: Q1.1(G) R116.2
UNNAMED_9_BSS123_I147_D: DS4.C Q2.3(D)
UNNAMED_9_BSS123_I147_G: Q2.1(G) R160.2
UNNAMED_9_CAPPOLARIZED_I74_1: C26.1 C27.1 D3.C F1.2 FB1.1 FB2.1
UNNAMED_9_DIODESCHOTTKY_I159_C: D1.C R77.2
UNNAMED_9_DIODESCHOTTKY_I160_C: D2.C R80.2
UNNAMED_9_FUSE_I161_1: F1.1 P6.1
UNNAMED_9_KMR2XXG_I138_2: R79.2 SW2.2
UNNAMED_9_KMR2XXG_I141_2: R72.1 R73.2 SW1.2
UNNAMED_9_KMR2XXG_I141_4: R68.1 SW1.4
UNNAMED_9_LEDS_I102_A: DS2.A R100.1
UNNAMED_9_LEDS_I105_A: DS1.A R90.1
UNNAMED_9_LEDS_I135_A: DS3.A R103.1
UNNAMED_9_LEDS_I146_A: DS4.A R117.1
UNNAMED_10_RESISTOR_I30_2: R98.2 R99.1 R101.1 R114.2
UNNAMED_10_RESISTOR_I33_2: P3.1 R99.2
UNNAMED_10_RESISTOR_I35_1: R95.1 R96.2 R112.1 R113.2
UNNAMED_10_RESISTOR_I36_2: P2.1 R95.2
UNNAMED_10_RESISTOR_I39_1: R88.2 R89.2 R92.1 R93.1
UNNAMED_10_RESISTOR_I39_2: P4.1 R92.2
UNNAMED_15_RESISTOR_I43_1: J6.16 R102.1
UNNAMED_15_RESISTOR_I44_2: J6.5 R168.2 R169.2
UNNAMED_15_RESISTOR_I45_2: J6.7 R166.2 R167.2
UNNAMED_15_RESISTOR_I46_2: J6.9 R165.2
UNNAMED_15_RESISTOR_I47_2: J6.13 R76.2
UNNAMED_15_RESISTOR_I48_2: J6.15 R164.2
UNNAMED_15_RESISTOR_I49_2: J6.17 R163.2
UNNAMED_15_RESISTOR_I50_2: J6.19 R162.2
UNNAMED_15_RESISTOR_I51_2: J5.1 R19.2
UNNAMED_15_RESISTOR_I52_2: J5.3 R24.2
UNNAMED_15_RESISTOR_I53_2: J5.5 R25.2
UNNAMED_15_RESISTOR_I54_2: J5.9 R26.2
UNNAMED_15_RESISTOR_I55_2: J5.13 R31.2
UNNAMED_15_RESISTOR_I56_2: J5.11 R18.2
UNNAMED_15_RESISTOR_I57_2: J5.17 R35.2
UNNAMED_15_RESISTOR_I58_2: J5.19 R36.2
UNNAMED_15_RESISTOR_I59_2: J5.15 R32.2
UNNAMED_15_RESISTOR_I60_1: J5.8 R9.1
UNNAMED_15_RESISTOR_I61_1: J5.10 R2.1
UNNAMED_15_RESISTOR_I62_1: J5.6 R1.1
UNNAMED_15_RESISTOR_I63_1: J5.14 R3.1 R6.1
UNNAMED_15_RESISTOR_I64_1: J5.16 R10.1
UNNAMED_15_RESISTOR_I65_1: J5.12 R4.1 R5.1
UNNAMED_15_RESISTOR_I66_1: J5.18 R8.1
UNNAMED_15_RESISTOR_I67_1: J6.6 R104.1
UNNAMED_15_RESISTOR_I68_1: J6.8 R94.1
UNNAMED_15_RESISTOR_I69_1: J6.10 R105.1
UNNAMED_15_RESISTOR_I70_1: J6.12 R106.1
UNNAMED_15_RESISTOR_I97_1: J6.18 R108.1
UNNAMED_15_RESISTOR_I98_1: J6.20 R109.1
UNNAMED_15_RESISTOR_I103_1: J6.14 R107.1
UNNAMED_17_CAPNONPOLARIZED_I130: C28.1 R121.2 R122.1 U5.10(FB2)
UNNAMED_17_CAPNONPOLARIZED_I131: C29.2 U5.7(NR/SS2)
UNNAMED_17_CAPNONPOLARIZED_I132: C44.2 U5.19(NR/SS1)
UNNAMED_17_CAPNONPOLARIZED_I133: C46.1 R131.1 R132.2 U5.16(FB1)
UNNAMED_22_CAPNONPOLARIZED_I63_: C1.2 C2.2 R37.1 U1.8(VCC)
UNNAMED_22_RESISTOR_I116_2: R42.2 U1.3(WP_N/IO2)
UNNAMED_22_RESISTOR_I117_1: R44.1 U1.6(SCK)
UNNAMED_22_RESISTOR_I118_1: R45.1 U1.5(SI/IO0)
UNNAMED_22_RESISTOR_I119_2: R39.2 U1.2(SO/IO1)
UNNAMED_22_RESISTOR_I120_1: R40.1 U1.7(HOLD_N/IO3)
UNNAMED_25_CAPNONPOLARIZED_I216: C86.2 R190.1
UNNAMED_25_CAPNONPOLARIZED_I217: C87.2 R191.1
UNNAMED_25_CAPNONPOLARIZED_I218: C88.2 R192.1
UNNAMED_25_CAPNONPOLARIZED_I219: C89.2 R193.1
UNNAMED_25_P87524BRNFRQ1ES22P_1: R145.1 U8.2(EN3)
UNNAMED_25_P87524BRNFRQ1ES22P_2: R147.1 U8.19(INT*)
UNNAMED_25_P87524BRNFRQ1ES22P_3: R143.1 U8.16(PGOOD)
